# Altium PCB Sensor.PcbDoc (part 1 of 3) (continued)
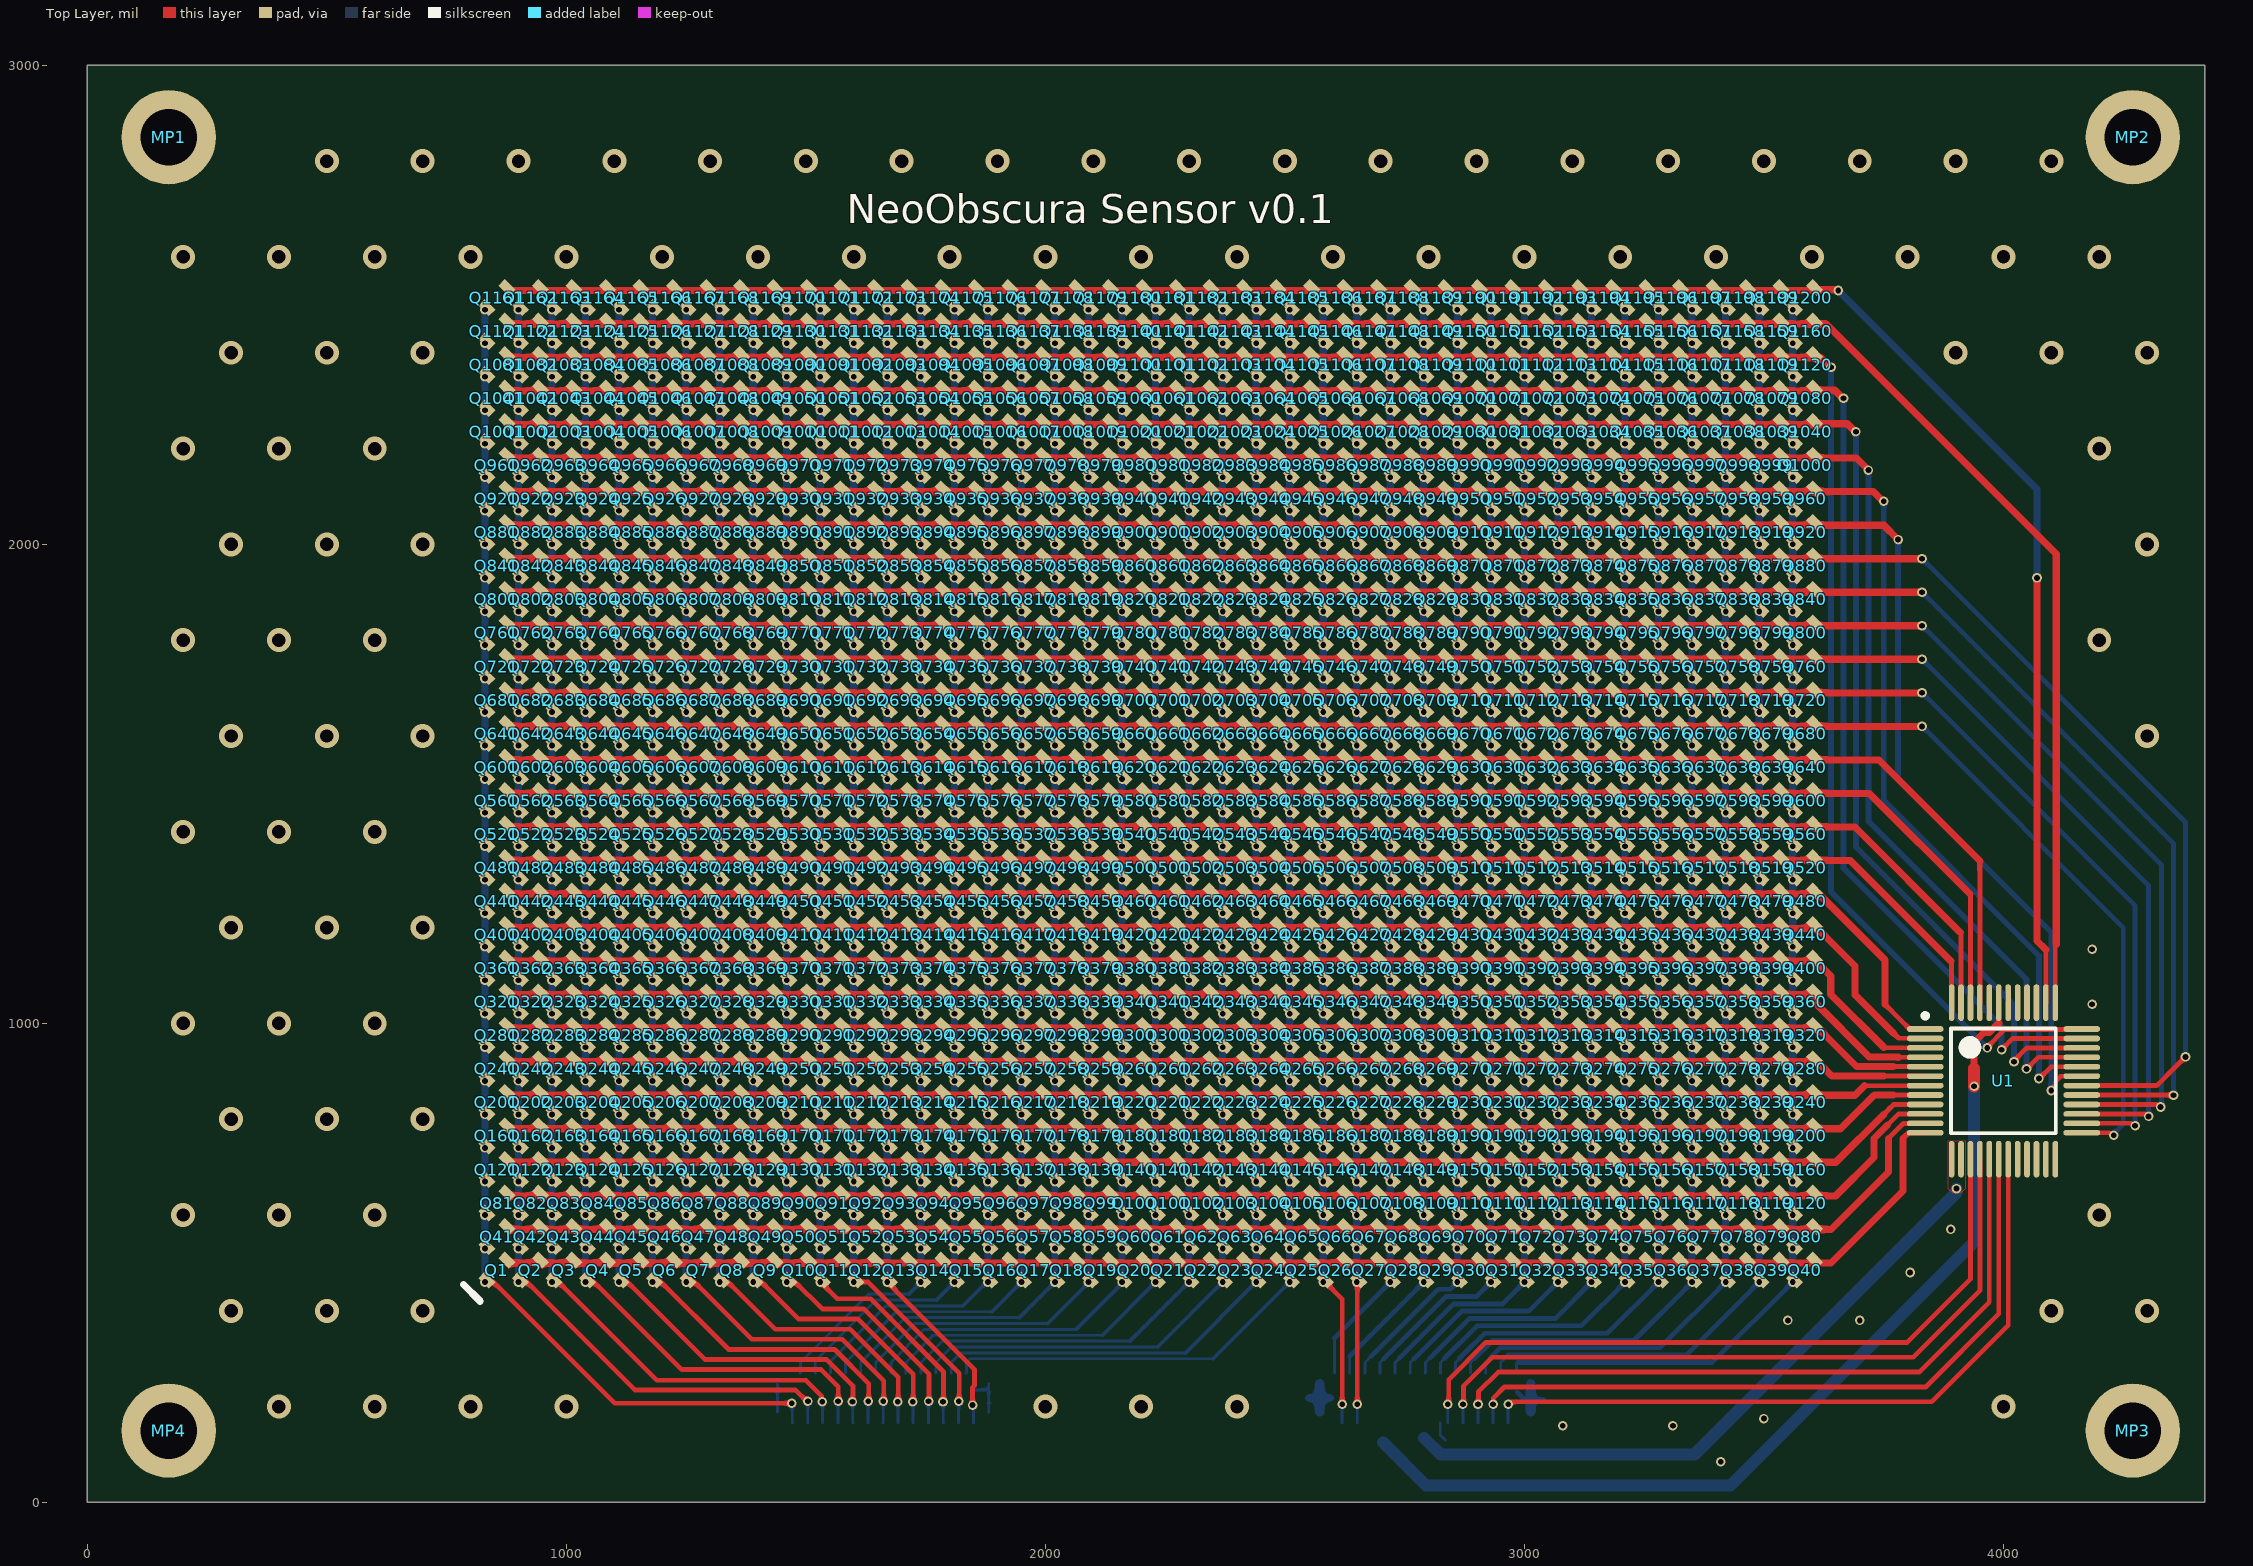
[diagram p0: Top Layer view]
## Components (designator, comment, footprint, x,y, rotation, side; value= is the part's Value field where it differs from the comment) (continued)
Q225 "PT0805CS" "0805 Phototransistor" 2535,835 r45 top
Q226 "PT0805CS" "0805 Phototransistor" 2605,835 r45 top
Q227 "PT0805CS" "0805 Phototransistor" 2675,835 r45 top
Q228 "PT0805CS" "0805 Phototransistor" 2745,835 r45 top
Q229 "PT0805CS" "0805 Phototransistor" 2815,835 r45 top
Q230 "PT0805CS" "0805 Phototransistor" 2885,835 r45 top
Q231 "PT0805CS" "0805 Phototransistor" 2955,835 r45 top
Q232 "PT0805CS" "0805 Phototransistor" 3025,835 r45 top
Q233 "PT0805CS" "0805 Phototransistor" 3095,835 r45 top
Q234 "PT0805CS" "0805 Phototransistor" 3165,835 r45 top
Q235 "PT0805CS" "0805 Phototransistor" 3235,835 r45 top
Q236 "PT0805CS" "0805 Phototransistor" 3305,835 r45 top
Q237 "PT0805CS" "0805 Phototransistor" 3375,835 r45 top
Q238 "PT0805CS" "0805 Phototransistor" 3445,835 r45 top
Q239 "PT0805CS" "0805 Phototransistor" 3515,835 r45 top
Q240 "PT0805CS" "0805 Phototransistor" 3585,835 r45 top
Q241 "PT0805CS" "0805 Phototransistor" 855,905 r45 top
Q242 "PT0805CS" "0805 Phototransistor" 925,905 r45 top
Q243 "PT0805CS" "0805 Phototransistor" 995,905 r45 top
Q244 "PT0805CS" "0805 Phototransistor" 1065,905 r45 top
Q245 "PT0805CS" "0805 Phototransistor" 1135,905 r45 top
Q246 "PT0805CS" "0805 Phototransistor" 1205,905 r45 top
Q247 "PT0805CS" "0805 Phototransistor" 1275,905 r45 top
Q248 "PT0805CS" "0805 Phototransistor" 1345,905 r45 top
Q249 "PT0805CS" "0805 Phototransistor" 1415,905 r45 top
Q250 "PT0805CS" "0805 Phototransistor" 1485,905 r45 top
Q251 "PT0805CS" "0805 Phototransistor" 1555,905 r45 top
Q252 "PT0805CS" "0805 Phototransistor" 1625,905 r45 top
Q253 "PT0805CS" "0805 Phototransistor" 1695,905 r45 top
Q254 "PT0805CS" "0805 Phototransistor" 1765,905 r45 top
Q255 "PT0805CS" "0805 Phototransistor" 1835,905 r45 top
Q256 "PT0805CS" "0805 Phototransistor" 1905,905 r45 top
Q257 "PT0805CS" "0805 Phototransistor" 1975,905 r45 top
Q258 "PT0805CS" "0805 Phototransistor" 2045,905 r45 top
Q259 "PT0805CS" "0805 Phototransistor" 2115,905 r45 top
Q260 "PT0805CS" "0805 Phototransistor" 2185,905 r45 top
Q261 "PT0805CS" "0805 Phototransistor" 2255,905 r45 top
Q262 "PT0805CS" "0805 Phototransistor" 2325,905 r45 top
Q263 "PT0805CS" "0805 Phototransistor" 2395,905 r45 top
Q264 "PT0805CS" "0805 Phototransistor" 2465,905 r45 top
Q265 "PT0805CS" "0805 Phototransistor" 2535,905 r45 top
Q266 "PT0805CS" "0805 Phototransistor" 2605,905 r45 top
Q267 "PT0805CS" "0805 Phototransistor" 2675,905 r45 top
Q268 "PT0805CS" "0805 Phototransistor" 2745,905 r45 top
Q269 "PT0805CS" "0805 Phototransistor" 2815,905 r45 top
Q270 "PT0805CS" "0805 Phototransistor" 2885,905 r45 top
Q271 "PT0805CS" "0805 Phototransistor" 2955,905 r45 top
Q272 "PT0805CS" "0805 Phototransistor" 3025,905 r45 top
Q273 "PT0805CS" "0805 Phototransistor" 3095,905 r45 top
Q274 "PT0805CS" "0805 Phototransistor" 3165,905 r45 top
Q275 "PT0805CS" "0805 Phototransistor" 3235,905 r45 top
Q276 "PT0805CS" "0805 Phototransistor" 3305,905 r45 top
Q277 "PT0805CS" "0805 Phototransistor" 3375,905 r45 top
Q278 "PT0805CS" "0805 Phototransistor" 3445,905 r45 top
Q279 "PT0805CS" "0805 Phototransistor" 3515,905 r45 top
Q280 "PT0805CS" "0805 Phototransistor" 3585,905 r45 top
Q281 "PT0805CS" "0805 Phototransistor" 855,975 r45 top
Q282 "PT0805CS" "0805 Phototransistor" 925,975 r45 top
Q283 "PT0805CS" "0805 Phototransistor" 995,975 r45 top
Q284 "PT0805CS" "0805 Phototransistor" 1065,975 r45 top
Q285 "PT0805CS" "0805 Phototransistor" 1135,975 r45 top
Q286 "PT0805CS" "0805 Phototransistor" 1205,975 r45 top
Q287 "PT0805CS" "0805 Phototransistor" 1275,975 r45 top
Q288 "PT0805CS" "0805 Phototransistor" 1345,975 r45 top
Q289 "PT0805CS" "0805 Phototransistor" 1415,975 r45 top
Q290 "PT0805CS" "0805 Phototransistor" 1485,975 r45 top
Q291 "PT0805CS" "0805 Phototransistor" 1555,975 r45 top
Q292 "PT0805CS" "0805 Phototransistor" 1625,975 r45 top
Q293 "PT0805CS" "0805 Phototransistor" 1695,975 r45 top
Q294 "PT0805CS" "0805 Phototransistor" 1765,975 r45 top
Q295 "PT0805CS" "0805 Phototransistor" 1835,975 r45 top
Q296 "PT0805CS" "0805 Phototransistor" 1905,975 r45 top
Q297 "PT0805CS" "0805 Phototransistor" 1975,975 r45 top
Q298 "PT0805CS" "0805 Phototransistor" 2045,975 r45 top
Q299 "PT0805CS" "0805 Phototransistor" 2115,975 r45 top
Q300 "PT0805CS" "0805 Phototransistor" 2185,975 r45 top
Q301 "PT0805CS" "0805 Phototransistor" 2255,975 r45 top
Q302 "PT0805CS" "0805 Phototransistor" 2325,975 r45 top
Q303 "PT0805CS" "0805 Phototransistor" 2395,975 r45 top
Q304 "PT0805CS" "0805 Phototransistor" 2465,975 r45 top
Q305 "PT0805CS" "0805 Phototransistor" 2535,975 r45 top
Q306 "PT0805CS" "0805 Phototransistor" 2605,975 r45 top
Q307 "PT0805CS" "0805 Phototransistor" 2675,975 r45 top
Q308 "PT0805CS" "0805 Phototransistor" 2745,975 r45 top
Q309 "PT0805CS" "0805 Phototransistor" 2815,975 r45 top
Q310 "PT0805CS" "0805 Phototransistor" 2885,975 r45 top
Q311 "PT0805CS" "0805 Phototransistor" 2955,975 r45 top
Q312 "PT0805CS" "0805 Phototransistor" 3025,975 r45 top
Q313 "PT0805CS" "0805 Phototransistor" 3095,975 r45 top
Q314 "PT0805CS" "0805 Phototransistor" 3165,975 r45 top
Q315 "PT0805CS" "0805 Phototransistor" 3235,975 r45 top
Q316 "PT0805CS" "0805 Phototransistor" 3305,975 r45 top
Q317 "PT0805CS" "0805 Phototransistor" 3375,975 r45 top
Q318 "PT0805CS" "0805 Phototransistor" 3445,975 r45 top
Q319 "PT0805CS" "0805 Phototransistor" 3515,975 r45 top
Q320 "PT0805CS" "0805 Phototransistor" 3585,975 r45 top
Q321 "PT0805CS" "0805 Phototransistor" 855,1045 r45 top
Q322 "PT0805CS" "0805 Phototransistor" 925,1045 r45 top
Q323 "PT0805CS" "0805 Phototransistor" 995,1045 r45 top
Q324 "PT0805CS" "0805 Phototransistor" 1065,1045 r45 top
Q325 "PT0805CS" "0805 Phototransistor" 1135,1045 r45 top
Q326 "PT0805CS" "0805 Phototransistor" 1205,1045 r45 top
Q327 "PT0805CS" "0805 Phototransistor" 1275,1045 r45 top
Q328 "PT0805CS" "0805 Phototransistor" 1345,1045 r45 top
Q329 "PT0805CS" "0805 Phototransistor" 1415,1045 r45 top
Q330 "PT0805CS" "0805 Phototransistor" 1485,1045 r45 top
Q331 "PT0805CS" "0805 Phototransistor" 1555,1045 r45 top
Q332 "PT0805CS" "0805 Phototransistor" 1625,1045 r45 top
Q333 "PT0805CS" "0805 Phototransistor" 1695,1045 r45 top
Q334 "PT0805CS" "0805 Phototransistor" 1765,1045 r45 top
Q335 "PT0805CS" "0805 Phototransistor" 1835,1045 r45 top
Q336 "PT0805CS" "0805 Phototransistor" 1905,1045 r45 top
Q337 "PT0805CS" "0805 Phototransistor" 1975,1045 r45 top
Q338 "PT0805CS" "0805 Phototransistor" 2045,1045 r45 top
Q339 "PT0805CS" "0805 Phototransistor" 2115,1045 r45 top
Q340 "PT0805CS" "0805 Phototransistor" 2185,1045 r45 top
Q341 "PT0805CS" "0805 Phototransistor" 2255,1045 r45 top
Q342 "PT0805CS" "0805 Phototransistor" 2325,1045 r45 top
Q343 "PT0805CS" "0805 Phototransistor" 2395,1045 r45 top
Q344 "PT0805CS" "0805 Phototransistor" 2465,1045 r45 top
Q345 "PT0805CS" "0805 Phototransistor" 2535,1045 r45 top
Q346 "PT0805CS" "0805 Phototransistor" 2605,1045 r45 top
Q347 "PT0805CS" "0805 Phototransistor" 2675,1045 r45 top
Q348 "PT0805CS" "0805 Phototransistor" 2745,1045 r45 top
Q349 "PT0805CS" "0805 Phototransistor" 2815,1045 r45 top
Q350 "PT0805CS" "0805 Phototransistor" 2885,1045 r45 top
Q351 "PT0805CS" "0805 Phototransistor" 2955,1045 r45 top
Q352 "PT0805CS" "0805 Phototransistor" 3025,1045 r45 top
Q353 "PT0805CS" "0805 Phototransistor" 3095,1045 r45 top
Q354 "PT0805CS" "0805 Phototransistor" 3165,1045 r45 top
Q355 "PT0805CS" "0805 Phototransistor" 3235,1045 r45 top
Q356 "PT0805CS" "0805 Phototransistor" 3305,1045 r45 top
Q357 "PT0805CS" "0805 Phototransistor" 3375,1045 r45 top
Q358 "PT0805CS" "0805 Phototransistor" 3445,1045 r45 top
Q359 "PT0805CS" "0805 Phototransistor" 3515,1045 r45 top
Q360 "PT0805CS" "0805 Phototransistor" 3585,1045 r45 top
Q361 "PT0805CS" "0805 Phototransistor" 855,1115 r45 top
Q362 "PT0805CS" "0805 Phototransistor" 925,1115 r45 top
Q363 "PT0805CS" "0805 Phototransistor" 995,1115 r45 top
Q364 "PT0805CS" "0805 Phototransistor" 1065,1115 r45 top
Q365 "PT0805CS" "0805 Phototransistor" 1135,1115 r45 top
Q366 "PT0805CS" "0805 Phototransistor" 1205,1115 r45 top
Q367 "PT0805CS" "0805 Phototransistor" 1275,1115 r45 top
Q368 "PT0805CS" "0805 Phototransistor" 1345,1115 r45 top
Q369 "PT0805CS" "0805 Phototransistor" 1415,1115 r45 top
Q370 "PT0805CS" "0805 Phototransistor" 1485,1115 r45 top
Q371 "PT0805CS" "0805 Phototransistor" 1555,1115 r45 top
Q372 "PT0805CS" "0805 Phototransistor" 1625,1115 r45 top
Q373 "PT0805CS" "0805 Phototransistor" 1695,1115 r45 top
Q374 "PT0805CS" "0805 Phototransistor" 1765,1115 r45 top
Q375 "PT0805CS" "0805 Phototransistor" 1835,1115 r45 top
Q376 "PT0805CS" "0805 Phototransistor" 1905,1115 r45 top
Q377 "PT0805CS" "0805 Phototransistor" 1975,1115 r45 top
Q378 "PT0805CS" "0805 Phototransistor" 2045,1115 r45 top
Q379 "PT0805CS" "0805 Phototransistor" 2115,1115 r45 top
Q380 "PT0805CS" "0805 Phototransistor" 2185,1115 r45 top
Q381 "PT0805CS" "0805 Phototransistor" 2255,1115 r45 top
Q382 "PT0805CS" "0805 Phototransistor" 2325,1115 r45 top
Q383 "PT0805CS" "0805 Phototransistor" 2395,1115 r45 top
Q384 "PT0805CS" "0805 Phototransistor" 2465,1115 r45 top
Q385 "PT0805CS" "0805 Phototransistor" 2535,1115 r45 top
Q386 "PT0805CS" "0805 Phototransistor" 2605,1115 r45 top
Q387 "PT0805CS" "0805 Phototransistor" 2675,1115 r45 top
Q388 "PT0805CS" "0805 Phototransistor" 2745,1115 r45 top
Q389 "PT0805CS" "0805 Phototransistor" 2815,1115 r45 top
Q390 "PT0805CS" "0805 Phototransistor" 2885,1115 r45 top
Q391 "PT0805CS" "0805 Phototransistor" 2955,1115 r45 top
Q392 "PT0805CS" "0805 Phototransistor" 3025,1115 r45 top
Q393 "PT0805CS" "0805 Phototransistor" 3095,1115 r45 top
Q394 "PT0805CS" "0805 Phototransistor" 3165,1115 r45 top
Q395 "PT0805CS" "0805 Phototransistor" 3235,1115 r45 top
Q396 "PT0805CS" "0805 Phototransistor" 3305,1115 r45 top
Q397 "PT0805CS" "0805 Phototransistor" 3375,1115 r45 top
Q398 "PT0805CS" "0805 Phototransistor" 3445,1115 r45 top
Q399 "PT0805CS" "0805 Phototransistor" 3515,1115 r45 top
Q400 "PT0805CS" "0805 Phototransistor" 3585,1115 r45 top
Q401 "PT0805CS" "0805 Phototransistor" 855,1185 r45 top
Q402 "PT0805CS" "0805 Phototransistor" 925,1185 r45 top
Q403 "PT0805CS" "0805 Phototransistor" 995,1185 r45 top
Q404 "PT0805CS" "0805 Phototransistor" 1065,1185 r45 top
Q405 "PT0805CS" "0805 Phototransistor" 1135,1185 r45 top
Q406 "PT0805CS" "0805 Phototransistor" 1205,1185 r45 top
Q407 "PT0805CS" "0805 Phototransistor" 1275,1185 r45 top
Q408 "PT0805CS" "0805 Phototransistor" 1345,1185 r45 top
Q409 "PT0805CS" "0805 Phototransistor" 1415,1185 r45 top
Q410 "PT0805CS" "0805 Phototransistor" 1485,1185 r45 top
Q411 "PT0805CS" "0805 Phototransistor" 1555,1185 r45 top
Q412 "PT0805CS" "0805 Phototransistor" 1625,1185 r45 top
Q413 "PT0805CS" "0805 Phototransistor" 1695,1185 r45 top
Q414 "PT0805CS" "0805 Phototransistor" 1765,1185 r45 top
Q415 "PT0805CS" "0805 Phototransistor" 1835,1185 r45 top
Q416 "PT0805CS" "0805 Phototransistor" 1905,1185 r45 top
Q417 "PT0805CS" "0805 Phototransistor" 1975,1185 r45 top
Q418 "PT0805CS" "0805 Phototransistor" 2045,1185 r45 top
Q419 "PT0805CS" "0805 Phototransistor" 2115,1185 r45 top
Q420 "PT0805CS" "0805 Phototransistor" 2185,1185 r45 top
Q421 "PT0805CS" "0805 Phototransistor" 2255,1185 r45 top
Q422 "PT0805CS" "0805 Phototransistor" 2325,1185 r45 top
Q423 "PT0805CS" "0805 Phototransistor" 2395,1185 r45 top
Q424 "PT0805CS" "0805 Phototransistor" 2465,1185 r45 top
Q425 "PT0805CS" "0805 Phototransistor" 2535,1185 r45 top
Q426 "PT0805CS" "0805 Phototransistor" 2605,1185 r45 top
Q427 "PT0805CS" "0805 Phototransistor" 2675,1185 r45 top
Q428 "PT0805CS" "0805 Phototransistor" 2745,1185 r45 top
Q429 "PT0805CS" "0805 Phototransistor" 2815,1185 r45 top
Q430 "PT0805CS" "0805 Phototransistor" 2885,1185 r45 top
Q431 "PT0805CS" "0805 Phototransistor" 2955,1185 r45 top
Q432 "PT0805CS" "0805 Phototransistor" 3025,1185 r45 top
Q433 "PT0805CS" "0805 Phototransistor" 3095,1185 r45 top
Q434 "PT0805CS" "0805 Phototransistor" 3165,1185 r45 top
Q435 "PT0805CS" "0805 Phototransistor" 3235,1185 r45 top
Q436 "PT0805CS" "0805 Phototransistor" 3305,1185 r45 top
Q437 "PT0805CS" "0805 Phototransistor" 3375,1185 r45 top
Q438 "PT0805CS" "0805 Phototransistor" 3445,1185 r45 top
Q439 "PT0805CS" "0805 Phototransistor" 3515,1185 r45 top
Q440 "PT0805CS" "0805 Phototransistor" 3585,1185 r45 top
Q441 "PT0805CS" "0805 Phototransistor" 855,1255 r45 top
Q442 "PT0805CS" "0805 Phototransistor" 925,1255 r45 top
Q443 "PT0805CS" "0805 Phototransistor" 995,1255 r45 top
Q444 "PT0805CS" "0805 Phototransistor" 1065,1255 r45 top
Q445 "PT0805CS" "0805 Phototransistor" 1135,1255 r45 top
Q446 "PT0805CS" "0805 Phototransistor" 1205,1255 r45 top
Q447 "PT0805CS" "0805 Phototransistor" 1275,1255 r45 top
Q448 "PT0805CS" "0805 Phototransistor" 1345,1255 r45 top
Q449 "PT0805CS" "0805 Phototransistor" 1415,1255 r45 top
Q450 "PT0805CS" "0805 Phototransistor" 1485,1255 r45 top
Q451 "PT0805CS" "0805 Phototransistor" 1555,1255 r45 top
Q452 "PT0805CS" "0805 Phototransistor" 1625,1255 r45 top
Q453 "PT0805CS" "0805 Phototransistor" 1695,1255 r45 top
Q454 "PT0805CS" "0805 Phototransistor" 1765,1255 r45 top
Q455 "PT0805CS" "0805 Phototransistor" 1835,1255 r45 top
Q456 "PT0805CS" "0805 Phototransistor" 1905,1255 r45 top
Q457 "PT0805CS" "0805 Phototransistor" 1975,1255 r45 top
Q458 "PT0805CS" "0805 Phototransistor" 2045,1255 r45 top
Q459 "PT0805CS" "0805 Phototransistor" 2115,1255 r45 top
Q460 "PT0805CS" "0805 Phototransistor" 2185,1255 r45 top
Q461 "PT0805CS" "0805 Phototransistor" 2255,1255 r45 top
Q462 "PT0805CS" "0805 Phototransistor" 2325,1255 r45 top
Q463 "PT0805CS" "0805 Phototransistor" 2395,1255 r45 top
Q464 "PT0805CS" "0805 Phototransistor" 2465,1255 r45 top
Q465 "PT0805CS" "0805 Phototransistor" 2535,1255 r45 top
Q466 "PT0805CS" "0805 Phototransistor" 2605,1255 r45 top
Q467 "PT0805CS" "0805 Phototransistor" 2675,1255 r45 top
Q468 "PT0805CS" "0805 Phototransistor" 2745,1255 r45 top
Q469 "PT0805CS" "0805 Phototransistor" 2815,1255 r45 top
Q470 "PT0805CS" "0805 Phototransistor" 2885,1255 r45 top
Q471 "PT0805CS" "0805 Phototransistor" 2955,1255 r45 top
Q472 "PT0805CS" "0805 Phototransistor" 3025,1255 r45 top
Q473 "PT0805CS" "0805 Phototransistor" 3095,1255 r45 top
Q474 "PT0805CS" "0805 Phototransistor" 3165,1255 r45 top
Q475 "PT0805CS" "0805 Phototransistor" 3235,1255 r45 top
Q476 "PT0805CS" "0805 Phototransistor" 3305,1255 r45 top
Q477 "PT0805CS" "0805 Phototransistor" 3375,1255 r45 top
Q478 "PT0805CS" "0805 Phototransistor" 3445,1255 r45 top
Q479 "PT0805CS" "0805 Phototransistor" 3515,1255 r45 top
Q480 "PT0805CS" "0805 Phototransistor" 3585,1255 r45 top
Q481 "PT0805CS" "0805 Phototransistor" 855,1325 r45 top
Q482 "PT0805CS" "0805 Phototransistor" 925,1325 r45 top
Q483 "PT0805CS" "0805 Phototransistor" 995,1325 r45 top
Q484 "PT0805CS" "0805 Phototransistor" 1065,1325 r45 top
Q485 "PT0805CS" "0805 Phototransistor" 1135,1325 r45 top
Q486 "PT0805CS" "0805 Phototransistor" 1205,1325 r45 top
Q487 "PT0805CS" "0805 Phototransistor" 1275,1325 r45 top
Q488 "PT0805CS" "0805 Phototransistor" 1345,1325 r45 top
Q489 "PT0805CS" "0805 Phototransistor" 1415,1325 r45 top
Q490 "PT0805CS" "0805 Phototransistor" 1485,1325 r45 top
Q491 "PT0805CS" "0805 Phototransistor" 1555,1325 r45 top
Q492 "PT0805CS" "0805 Phototransistor" 1625,1325 r45 top
Q493 "PT0805CS" "0805 Phototransistor" 1695,1325 r45 top
Q494 "PT0805CS" "0805 Phototransistor" 1765,1325 r45 top
Q495 "PT0805CS" "0805 Phototransistor" 1835,1325 r45 top
Q496 "PT0805CS" "0805 Phototransistor" 1905,1325 r45 top
Q497 "PT0805CS" "0805 Phototransistor" 1975,1325 r45 top
Q498 "PT0805CS" "0805 Phototransistor" 2045,1325 r45 top
Q499 "PT0805CS" "0805 Phototransistor" 2115,1325 r45 top
Q500 "PT0805CS" "0805 Phototransistor" 2185,1325 r45 top
Q501 "PT0805CS" "0805 Phototransistor" 2255,1325 r45 top
Q502 "PT0805CS" "0805 Phototransistor" 2325,1325 r45 top
Q503 "PT0805CS" "0805 Phototransistor" 2395,1325 r45 top
Q504 "PT0805CS" "0805 Phototransistor" 2465,1325 r45 top
Q505 "PT0805CS" "0805 Phototransistor" 2535,1325 r45 top
Q506 "PT0805CS" "0805 Phototransistor" 2605,1325 r45 top
Q507 "PT0805CS" "0805 Phototransistor" 2675,1325 r45 top
Q508 "PT0805CS" "0805 Phototransistor" 2745,1325 r45 top
Q509 "PT0805CS" "0805 Phototransistor" 2815,1325 r45 top
Q510 "PT0805CS" "0805 Phototransistor" 2885,1325 r45 top
Q511 "PT0805CS" "0805 Phototransistor" 2955,1325 r45 top
Q512 "PT0805CS" "0805 Phototransistor" 3025,1325 r45 top
Q513 "PT0805CS" "0805 Phototransistor" 3095,1325 r45 top
Q514 "PT0805CS" "0805 Phototransistor" 3165,1325 r45 top
Q515 "PT0805CS" "0805 Phototransistor" 3235,1325 r45 top
Q516 "PT0805CS" "0805 Phototransistor" 3305,1325 r45 top
Q517 "PT0805CS" "0805 Phototransistor" 3375,1325 r45 top
Q518 "PT0805CS" "0805 Phototransistor" 3445,1325 r45 top
Q519 "PT0805CS" "0805 Phototransistor" 3515,1325 r45 top
Q520 "PT0805CS" "0805 Phototransistor" 3585,1325 r45 top
Q521 "PT0805CS" "0805 Phototransistor" 855,1395 r45 top
Q522 "PT0805CS" "0805 Phototransistor" 925,1395 r45 top
Q523 "PT0805CS" "0805 Phototransistor" 995,1395 r45 top
Q524 "PT0805CS" "0805 Phototransistor" 1065,1395 r45 top
Q525 "PT0805CS" "0805 Phototransistor" 1135,1395 r45 top
Q526 "PT0805CS" "0805 Phototransistor" 1205,1395 r45 top
Q527 "PT0805CS" "0805 Phototransistor" 1275,1395 r45 top
Q528 "PT0805CS" "0805 Phototransistor" 1345,1395 r45 top
Q529 "PT0805CS" "0805 Phototransistor" 1415,1395 r45 top
Q530 "PT0805CS" "0805 Phototransistor" 1485,1395 r45 top
Q531 "PT0805CS" "0805 Phototransistor" 1555,1395 r45 top
Q532 "PT0805CS" "0805 Phototransistor" 1625,1395 r45 top
Q533 "PT0805CS" "0805 Phototransistor" 1695,1395 r45 top
Q534 "PT0805CS" "0805 Phototransistor" 1765,1395 r45 top
Q535 "PT0805CS" "0805 Phototransistor" 1835,1395 r45 top
Q536 "PT0805CS" "0805 Phototransistor" 1905,1395 r45 top
Q537 "PT0805CS" "0805 Phototransistor" 1975,1395 r45 top
Q538 "PT0805CS" "0805 Phototransistor" 2045,1395 r45 top
Q539 "PT0805CS" "0805 Phototransistor" 2115,1395 r45 top
Q540 "PT0805CS" "0805 Phototransistor" 2185,1395 r45 top
Q541 "PT0805CS" "0805 Phototransistor" 2255,1395 r45 top
Q542 "PT0805CS" "0805 Phototransistor" 2325,1395 r45 top
Q543 "PT0805CS" "0805 Phototransistor" 2395,1395 r45 top
Q544 "PT0805CS" "0805 Phototransistor" 2465,1395 r45 top
Q545 "PT0805CS" "0805 Phototransistor" 2535,1395 r45 top
Q546 "PT0805CS" "0805 Phototransistor" 2605,1395 r45 top
Q547 "PT0805CS" "0805 Phototransistor" 2675,1395 r45 top
Q548 "PT0805CS" "0805 Phototransistor" 2745,1395 r45 top
Q549 "PT0805CS" "0805 Phototransistor" 2815,1395 r45 top
Q550 "PT0805CS" "0805 Phototransistor" 2885,1395 r45 top
Q551 "PT0805CS" "0805 Phototransistor" 2955,1395 r45 top
Q552 "PT0805CS" "0805 Phototransistor" 3025,1395 r45 top
Q553 "PT0805CS" "0805 Phototransistor" 3095,1395 r45 top
Q554 "PT0805CS" "0805 Phototransistor" 3165,1395 r45 top
Q555 "PT0805CS" "0805 Phototransistor" 3235,1395 r45 top
Q556 "PT0805CS" "0805 Phototransistor" 3305,1395 r45 top
Q557 "PT0805CS" "0805 Phototransistor" 3375,1395 r45 top
Q558 "PT0805CS" "0805 Phototransistor" 3445,1395 r45 top
Q559 "PT0805CS" "0805 Phototransistor" 3515,1395 r45 top
Q560 "PT0805CS" "0805 Phototransistor" 3585,1395 r45 top
Q561 "PT0805CS" "0805 Phototransistor" 855,1465 r45 top
Q562 "PT0805CS" "0805 Phototransistor" 925,1465 r45 top
Q563 "PT0805CS" "0805 Phototransistor" 995,1465 r45 top
Q564 "PT0805CS" "0805 Phototransistor" 1065,1465 r45 top
Q565 "PT0805CS" "0805 Phototransistor" 1135,1465 r45 top
Q566 "PT0805CS" "0805 Phototransistor" 1205,1465 r45 top
Q567 "PT0805CS" "0805 Phototransistor" 1275,1465 r45 top
Q568 "PT0805CS" "0805 Phototransistor" 1345,1465 r45 top
Q569 "PT0805CS" "0805 Phototransistor" 1415,1465 r45 top
Q570 "PT0805CS" "0805 Phototransistor" 1485,1465 r45 top
Q571 "PT0805CS" "0805 Phototransistor" 1555,1465 r45 top
Q572 "PT0805CS" "0805 Phototransistor" 1625,1465 r45 top
Q573 "PT0805CS" "0805 Phototransistor" 1695,1465 r45 top
Q574 "PT0805CS" "0805 Phototransistor" 1765,1465 r45 top
Q575 "PT0805CS" "0805 Phototransistor" 1835,1465 r45 top
Q576 "PT0805CS" "0805 Phototransistor" 1905,1465 r45 top
Q577 "PT0805CS" "0805 Phototransistor" 1975,1465 r45 top
Q578 "PT0805CS" "0805 Phototransistor" 2045,1465 r45 top
Q579 "PT0805CS" "0805 Phototransistor" 2115,1465 r45 top
Q580 "PT0805CS" "0805 Phototransistor" 2185,1465 r45 top
Q581 "PT0805CS" "0805 Phototransistor" 2255,1465 r45 top
Q582 "PT0805CS" "0805 Phototransistor" 2325,1465 r45 top
Q583 "PT0805CS" "0805 Phototransistor" 2395,1465 r45 top
Q584 "PT0805CS" "0805 Phototransistor" 2465,1465 r45 top
Q585 "PT0805CS" "0805 Phototransistor" 2535,1465 r45 top
Q586 "PT0805CS" "0805 Phototransistor" 2605,1465 r45 top
Q587 "PT0805CS" "0805 Phototransistor" 2675,1465 r45 top
Q588 "PT0805CS" "0805 Phototransistor" 2745,1465 r45 top
Q589 "PT0805CS" "0805 Phototransistor" 2815,1465 r45 top
Q590 "PT0805CS" "0805 Phototransistor" 2885,1465 r45 top
Q591 "PT0805CS" "0805 Phototransistor" 2955,1465 r45 top
Q592 "PT0805CS" "0805 Phototransistor" 3025,1465 r45 top
Q593 "PT0805CS" "0805 Phototransistor" 3095,1465 r45 top
Q594 "PT0805CS" "0805 Phototransistor" 3165,1465 r45 top
Q595 "PT0805CS" "0805 Phototransistor" 3235,1465 r45 top
Q596 "PT0805CS" "0805 Phototransistor" 3305,1465 r45 top
Q597 "PT0805CS" "0805 Phototransistor" 3375,1465 r45 top
Q598 "PT0805CS" "0805 Phototransistor" 3445,1465 r45 top
Q599 "PT0805CS" "0805 Phototransistor" 3515,1465 r45 top
Q600 "PT0805CS" "0805 Phototransistor" 3585,1465 r45 top
Q601 "PT0805CS" "0805 Phototransistor" 855,1535 r45 top
Q602 "PT0805CS" "0805 Phototransistor" 925,1535 r45 top
Q603 "PT0805CS" "0805 Phototransistor" 995,1535 r45 top
Q604 "PT0805CS" "0805 Phototransistor" 1065,1535 r45 top
Q605 "PT0805CS" "0805 Phototransistor" 1135,1535 r45 top
Q606 "PT0805CS" "0805 Phototransistor" 1205,1535 r45 top
Q607 "PT0805CS" "0805 Phototransistor" 1275,1535 r45 top
Q608 "PT0805CS" "0805 Phototransistor" 1345,1535 r45 top
Q609 "PT0805CS" "0805 Phototransistor" 1415,1535 r45 top
Q610 "PT0805CS" "0805 Phototransistor" 1485,1535 r45 top
Q611 "PT0805CS" "0805 Phototransistor" 1555,1535 r45 top
Q612 "PT0805CS" "0805 Phototransistor" 1625,1535 r45 top
Q613 "PT0805CS" "0805 Phototransistor" 1695,1535 r45 top
Q614 "PT0805CS" "0805 Phototransistor" 1765,1535 r45 top
Q615 "PT0805CS" "0805 Phototransistor" 1835,1535 r45 top
Q616 "PT0805CS" "0805 Phototransistor" 1905,1535 r45 top
Q617 "PT0805CS" "0805 Phototransistor" 1975,1535 r45 top
Q618 "PT0805CS" "0805 Phototransistor" 2045,1535 r45 top
Q619 "PT0805CS" "0805 Phototransistor" 2115,1535 r45 top
Q620 "PT0805CS" "0805 Phototransistor" 2185,1535 r45 top
Q621 "PT0805CS" "0805 Phototransistor" 2255,1535 r45 top
Q622 "PT0805CS" "0805 Phototransistor" 2325,1535 r45 top
Q623 "PT0805CS" "0805 Phototransistor" 2395,1535 r45 top
Q624 "PT0805CS" "0805 Phototransistor" 2465,1535 r45 top
Q625 "PT0805CS" "0805 Phototransistor" 2535,1535 r45 top
Q626 "PT0805CS" "0805 Phototransistor" 2605,1535 r45 top
Q627 "PT0805CS" "0805 Phototransistor" 2675,1535 r45 top
Q628 "PT0805CS" "0805 Phototransistor" 2745,1535 r45 top
Q629 "PT0805CS" "0805 Phototransistor" 2815,1535 r45 top
Q630 "PT0805CS" "0805 Phototransistor" 2885,1535 r45 top
Q631 "PT0805CS" "0805 Phototransistor" 2955,1535 r45 top
Q632 "PT0805CS" "0805 Phototransistor" 3025,1535 r45 top
Q633 "PT0805CS" "0805 Phototransistor" 3095,1535 r45 top
Q634 "PT0805CS" "0805 Phototransistor" 3165,1535 r45 top
Q635 "PT0805CS" "0805 Phototransistor" 3235,1535 r45 top
Q636 "PT0805CS" "0805 Phototransistor" 3305,1535 r45 top
Q637 "PT0805CS" "0805 Phototransistor" 3375,1535 r45 top
Q638 "PT0805CS" "0805 Phototransistor" 3445,1535 r45 top
Q639 "PT0805CS" "0805 Phototransistor" 3515,1535 r45 top
Q640 "PT0805CS" "0805 Phototransistor" 3585,1535 r45 top
Q641 "PT0805CS" "0805 Phototransistor" 855,1605 r45 top
Q642 "PT0805CS" "0805 Phototransistor" 925,1605 r45 top
Q643 "PT0805CS" "0805 Phototransistor" 995,1605 r45 top
Q644 "PT0805CS" "0805 Phototransistor" 1065,1605 r45 top
Q645 "PT0805CS" "0805 Phototransistor" 1135,1605 r45 top
Q646 "PT0805CS" "0805 Phototransistor" 1205,1605 r45 top
Q647 "PT0805CS" "0805 Phototransistor" 1275,1605 r45 top
Q648 "PT0805CS" "0805 Phototransistor" 1345,1605 r45 top
Q649 "PT0805CS" "0805 Phototransistor" 1415,1605 r45 top
Q650 "PT0805CS" "0805 Phototransistor" 1485,1605 r45 top
Q651 "PT0805CS" "0805 Phototransistor" 1555,1605 r45 top
Q652 "PT0805CS" "0805 Phototransistor" 1625,1605 r45 top
Q653 "PT0805CS" "0805 Phototransistor" 1695,1605 r45 top
Q654 "PT0805CS" "0805 Phototransistor" 1765,1605 r45 top
Q655 "PT0805CS" "0805 Phototransistor" 1835,1605 r45 top
Q656 "PT0805CS" "0805 Phototransistor" 1905,1605 r45 top
Q657 "PT0805CS" "0805 Phototransistor" 1975,1605 r45 top
Q658 "PT0805CS" "0805 Phototransistor" 2045,1605 r45 top
Q659 "PT0805CS" "0805 Phototransistor" 2115,1605 r45 top
Q660 "PT0805CS" "0805 Phototransistor" 2185,1605 r45 top
Q661 "PT0805CS" "0805 Phototransistor" 2255,1605 r45 top
Q662 "PT0805CS" "0805 Phototransistor" 2325,1605 r45 top
Q663 "PT0805CS" "0805 Phototransistor" 2395,1605 r45 top
Q664 "PT0805CS" "0805 Phototransistor" 2465,1605 r45 top
Q665 "PT0805CS" "0805 Phototransistor" 2535,1605 r45 top
Q666 "PT0805CS" "0805 Phototransistor" 2605,1605 r45 top
Q667 "PT0805CS" "0805 Phototransistor" 2675,1605 r45 top
Q668 "PT0805CS" "0805 Phototransistor" 2745,1605 r45 top
Q669 "PT0805CS" "0805 Phototransistor" 2815,1605 r45 top
Q670 "PT0805CS" "0805 Phototransistor" 2885,1605 r45 top
Q671 "PT0805CS" "0805 Phototransistor" 2955,1605 r45 top
Q672 "PT0805CS" "0805 Phototransistor" 3025,1605 r45 top
Q673 "PT0805CS" "0805 Phototransistor" 3095,1605 r45 top
Q674 "PT0805CS" "0805 Phototransistor" 3165,1605 r45 top
Q675 "PT0805CS" "0805 Phototransistor" 3235,1605 r45 top
Q676 "PT0805CS" "0805 Phototransistor" 3305,1605 r45 top
Q677 "PT0805CS" "0805 Phototransistor" 3375,1605 r45 top
Q678 "PT0805CS" "0805 Phototransistor" 3445,1605 r45 top
Q679 "PT0805CS" "0805 Phototransistor" 3515,1605 r45 top
Q680 "PT0805CS" "0805 Phototransistor" 3585,1605 r45 top
Q681 "PT0805CS" "0805 Phototransistor" 855,1675 r45 top
Q682 "PT0805CS" "0805 Phototransistor" 925,1675 r45 top
Q683 "PT0805CS" "0805 Phototransistor" 995,1675 r45 top
Q684 "PT0805CS" "0805 Phototransistor" 1065,1675 r45 top
Q685 "PT0805CS" "0805 Phototransistor" 1135,1675 r45 top
Q686 "PT0805CS" "0805 Phototransistor" 1205,1675 r45 top
Q687 "PT0805CS" "0805 Phototransistor" 1275,1675 r45 top
Q688 "PT0805CS" "0805 Phototransistor" 1345,1675 r45 top
Q689 "PT0805CS" "0805 Phototransistor" 1415,1675 r45 top
Q690 "PT0805CS" "0805 Phototransistor" 1485,1675 r45 top
Q691 "PT0805CS" "0805 Phototransistor" 1555,1675 r45 top
Q692 "PT0805CS" "0805 Phototransistor" 1625,1675 r45 top
Q693 "PT0805CS" "0805 Phototransistor" 1695,1675 r45 top
Q694 "PT0805CS" "0805 Phototransistor" 1765,1675 r45 top
Q695 "PT0805CS" "0805 Phototransistor" 1835,1675 r45 top
Q696 "PT0805CS" "0805 Phototransistor" 1905,1675 r45 top
Q697 "PT0805CS" "0805 Phototransistor" 1975,1675 r45 top
Q698 "PT0805CS" "0805 Phototransistor" 2045,1675 r45 top
Q699 "PT0805CS" "0805 Phototransistor" 2115,1675 r45 top
Q700 "PT0805CS" "0805 Phototransistor" 2185,1675 r45 top
Q701 "PT0805CS" "0805 Phototransistor" 2255,1675 r45 top
Q702 "PT0805CS" "0805 Phototransistor" 2325,1675 r45 top
Q703 "PT0805CS" "0805 Phototransistor" 2395,1675 r45 top
Q704 "PT0805CS" "0805 Phototransistor" 2465,1675 r45 top
Q705 "PT0805CS" "0805 Phototransistor" 2535,1675 r45 top
Q706 "PT0805CS" "0805 Phototransistor" 2605,1675 r45 top
Q707 "PT0805CS" "0805 Phototransistor" 2675,1675 r45 top
Q708 "PT0805CS" "0805 Phototransistor" 2745,1675 r45 top
Q709 "PT0805CS" "0805 Phototransistor" 2815,1675 r45 top
Q710 "PT0805CS" "0805 Phototransistor" 2885,1675 r45 top
Q711 "PT0805CS" "0805 Phototransistor" 2955,1675 r45 top
Q712 "PT0805CS" "0805 Phototransistor" 3025,1675 r45 top
Q713 "PT0805CS" "0805 Phototransistor" 3095,1675 r45 top
Q714 "PT0805CS" "0805 Phototransistor" 3165,1675 r45 top
Q715 "PT0805CS" "0805 Phototransistor" 3235,1675 r45 top
Q716 "PT0805CS" "0805 Phototransistor" 3305,1675 r45 top
Q717 "PT0805CS" "0805 Phototransistor" 3375,1675 r45 top
Q718 "PT0805CS" "0805 Phototransistor" 3445,1675 r45 top
Q719 "PT0805CS" "0805 Phototransistor" 3515,1675 r45 top
Q720 "PT0805CS" "0805 Phototransistor" 3585,1675 r45 top
Q721 "PT0805CS" "0805 Phototransistor" 855,1745 r45 top
Q722 "PT0805CS" "0805 Phototransistor" 925,1745 r45 top
Q723 "PT0805CS" "0805 Phototransistor" 995,1745 r45 top
Q724 "PT0805CS" "0805 Phototransistor" 1065,1745 r45 top
Q725 "PT0805CS" "0805 Phototransistor" 1135,1745 r45 top
Q726 "PT0805CS" "0805 Phototransistor" 1205,1745 r45 top
Q727 "PT0805CS" "0805 Phototransistor" 1275,1745 r45 top
Q728 "PT0805CS" "0805 Phototransistor" 1345,1745 r45 top
Q729 "PT0805CS" "0805 Phototransistor" 1415,1745 r45 top
Q730 "PT0805CS" "0805 Phototransistor" 1485,1745 r45 top
Q731 "PT0805CS" "0805 Phototransistor" 1555,1745 r45 top
Q732 "PT0805CS" "0805 Phototransistor" 1625,1745 r45 top
Q733 "PT0805CS" "0805 Phototransistor" 1695,1745 r45 top
Q734 "PT0805CS" "0805 Phototransistor" 1765,1745 r45 top
Q735 "PT0805CS" "0805 Phototransistor" 1835,1745 r45 top
Q736 "PT0805CS" "0805 Phototransistor" 1905,1745 r45 top
Q737 "PT0805CS" "0805 Phototransistor" 1975,1745 r45 top
Q738 "PT0805CS" "0805 Phototransistor" 2045,1745 r45 top
Q739 "PT0805CS" "0805 Phototransistor" 2115,1745 r45 top
Q740 "PT0805CS" "0805 Phototransistor" 2185,1745 r45 top
Q741 "PT0805CS" "0805 Phototransistor" 2255,1745 r45 top
Q742 "PT0805CS" "0805 Phototransistor" 2325,1745 r45 top
Q743 "PT0805CS" "0805 Phototransistor" 2395,1745 r45 top
Q744 "PT0805CS" "0805 Phototransistor" 2465,1745 r45 top
Q745 "PT0805CS" "0805 Phototransistor" 2535,1745 r45 top
Q746 "PT0805CS" "0805 Phototransistor" 2605,1745 r45 top
Q747 "PT0805CS" "0805 Phototransistor" 2675,1745 r45 top
Q748 "PT0805CS" "0805 Phototransistor" 2745,1745 r45 top
Q749 "PT0805CS" "0805 Phototransistor" 2815,1745 r45 top
Q750 "PT0805CS" "0805 Phototransistor" 2885,1745 r45 top
Q751 "PT0805CS" "0805 Phototransistor" 2955,1745 r45 top
Q752 "PT0805CS" "0805 Phototransistor" 3025,1745 r45 top
Q753 "PT0805CS" "0805 Phototransistor" 3095,1745 r45 top
Q754 "PT0805CS" "0805 Phototransistor" 3165,1745 r45 top
Q755 "PT0805CS" "0805 Phototransistor" 3235,1745 r45 top
Q756 "PT0805CS" "0805 Phototransistor" 3305,1745 r45 top
Q757 "PT0805CS" "0805 Phototransistor" 3375,1745 r45 top
Q758 "PT0805CS" "0805 Phototransistor" 3445,1745 r45 top
Q759 "PT0805CS" "0805 Phototransistor" 3515,1745 r45 top
Q760 "PT0805CS" "0805 Phototransistor" 3585,1745 r45 top
Q761 "PT0805CS" "0805 Phototransistor" 855,1815 r45 top
Q762 "PT0805CS" "0805 Phototransistor" 925,1815 r45 top
Q763 "PT0805CS" "0805 Phototransistor" 995,1815 r45 top
Q764 "PT0805CS" "0805 Phototransistor" 1065,1815 r45 top
Q765 "PT0805CS" "0805 Phototransistor" 1135,1815 r45 top
Q766 "PT0805CS" "0805 Phototransistor" 1205,1815 r45 top
Q767 "PT0805CS" "0805 Phototransistor" 1275,1815 r45 top
Q768 "PT0805CS" "0805 Phototransistor" 1345,1815 r45 top
Q769 "PT0805CS" "0805 Phototransistor" 1415,1815 r45 top
Q770 "PT0805CS" "0805 Phototransistor" 1485,1815 r45 top
Q771 "PT0805CS" "0805 Phototransistor" 1555,1815 r45 top
Q772 "PT0805CS" "0805 Phototransistor" 1625,1815 r45 top
Q773 "PT0805CS" "0805 Phototransistor" 1695,1815 r45 top
Q774 "PT0805CS" "0805 Phototransistor" 1765,1815 r45 top
Q775 "PT0805CS" "0805 Phototransistor" 1835,1815 r45 top
Q776 "PT0805CS" "0805 Phototransistor" 1905,1815 r45 top
Q777 "PT0805CS" "0805 Phototransistor" 1975,1815 r45 top
Q778 "PT0805CS" "0805 Phototransistor" 2045,1815 r45 top
Q779 "PT0805CS" "0805 Phototransistor" 2115,1815 r45 top
Q780 "PT0805CS" "0805 Phototransistor" 2185,1815 r45 top
Q781 "PT0805CS" "0805 Phototransistor" 2255,1815 r45 top
Q782 "PT0805CS" "0805 Phototransistor" 2325,1815 r45 top
Q783 "PT0805CS" "0805 Phototransistor" 2395,1815 r45 top
Q784 "PT0805CS" "0805 Phototransistor" 2465,1815 r45 top
Q785 "PT0805CS" "0805 Phototransistor" 2535,1815 r45 top
Q786 "PT0805CS" "0805 Phototransistor" 2605,1815 r45 top
Q787 "PT0805CS" "0805 Phototransistor" 2675,1815 r45 top
Q788 "PT0805CS" "0805 Phototransistor" 2745,1815 r45 top
Q789 "PT0805CS" "0805 Phototransistor" 2815,1815 r45 top
Q790 "PT0805CS" "0805 Phototransistor" 2885,1815 r45 top
Q791 "PT0805CS" "0805 Phototransistor" 2955,1815 r45 top
Q792 "PT0805CS" "0805 Phototransistor" 3025,1815 r45 top
Q793 "PT0805CS" "0805 Phototransistor" 3095,1815 r45 top
Q794 "PT0805CS" "0805 Phototransistor" 3165,1815 r45 top
Q795 "PT0805CS" "0805 Phototransistor" 3235,1815 r45 top
Q796 "PT0805CS" "0805 Phototransistor" 3305,1815 r45 top
Q797 "PT0805CS" "0805 Phototransistor" 3375,1815 r45 top
Q798 "PT0805CS" "0805 Phototransistor" 3445,1815 r45 top
Q799 "PT0805CS" "0805 Phototransistor" 3515,1815 r45 top
Q800 "PT0805CS" "0805 Phototransistor" 3585,1815 r45 top
Q801 "PT0805CS" "0805 Phototransistor" 855,1885 r45 top
Q802 "PT0805CS" "0805 Phototransistor" 925,1885 r45 top
Q803 "PT0805CS" "0805 Phototransistor" 995,1885 r45 top
Q804 "PT0805CS" "0805 Phototransistor" 1065,1885 r45 top
Q805 "PT0805CS" "0805 Phototransistor" 1135,1885 r45 top
Q806 "PT0805CS" "0805 Phototransistor" 1205,1885 r45 top
Q807 "PT0805CS" "0805 Phototransistor" 1275,1885 r45 top
Q808 "PT0805CS" "0805 Phototransistor" 1345,1885 r45 top
Q809 "PT0805CS" "0805 Phototransistor" 1415,1885 r45 top
Q810 "PT0805CS" "0805 Phototransistor" 1485,1885 r45 top
Q811 "PT0805CS" "0805 Phototransistor" 1555,1885 r45 top
Q812 "PT0805CS" "0805 Phototransistor" 1625,1885 r45 top
Q813 "PT0805CS" "0805 Phototransistor" 1695,1885 r45 top
Q814 "PT0805CS" "0805 Phototransistor" 1765,1885 r45 top
Q815 "PT0805CS" "0805 Phototransistor" 1835,1885 r45 top
Q816 "PT0805CS" "0805 Phototransistor" 1905,1885 r45 top
Q817 "PT0805CS" "0805 Phototransistor" 1975,1885 r45 top